# Altium PCB ultra.PcbDoc (part 1 of 9) (continued)
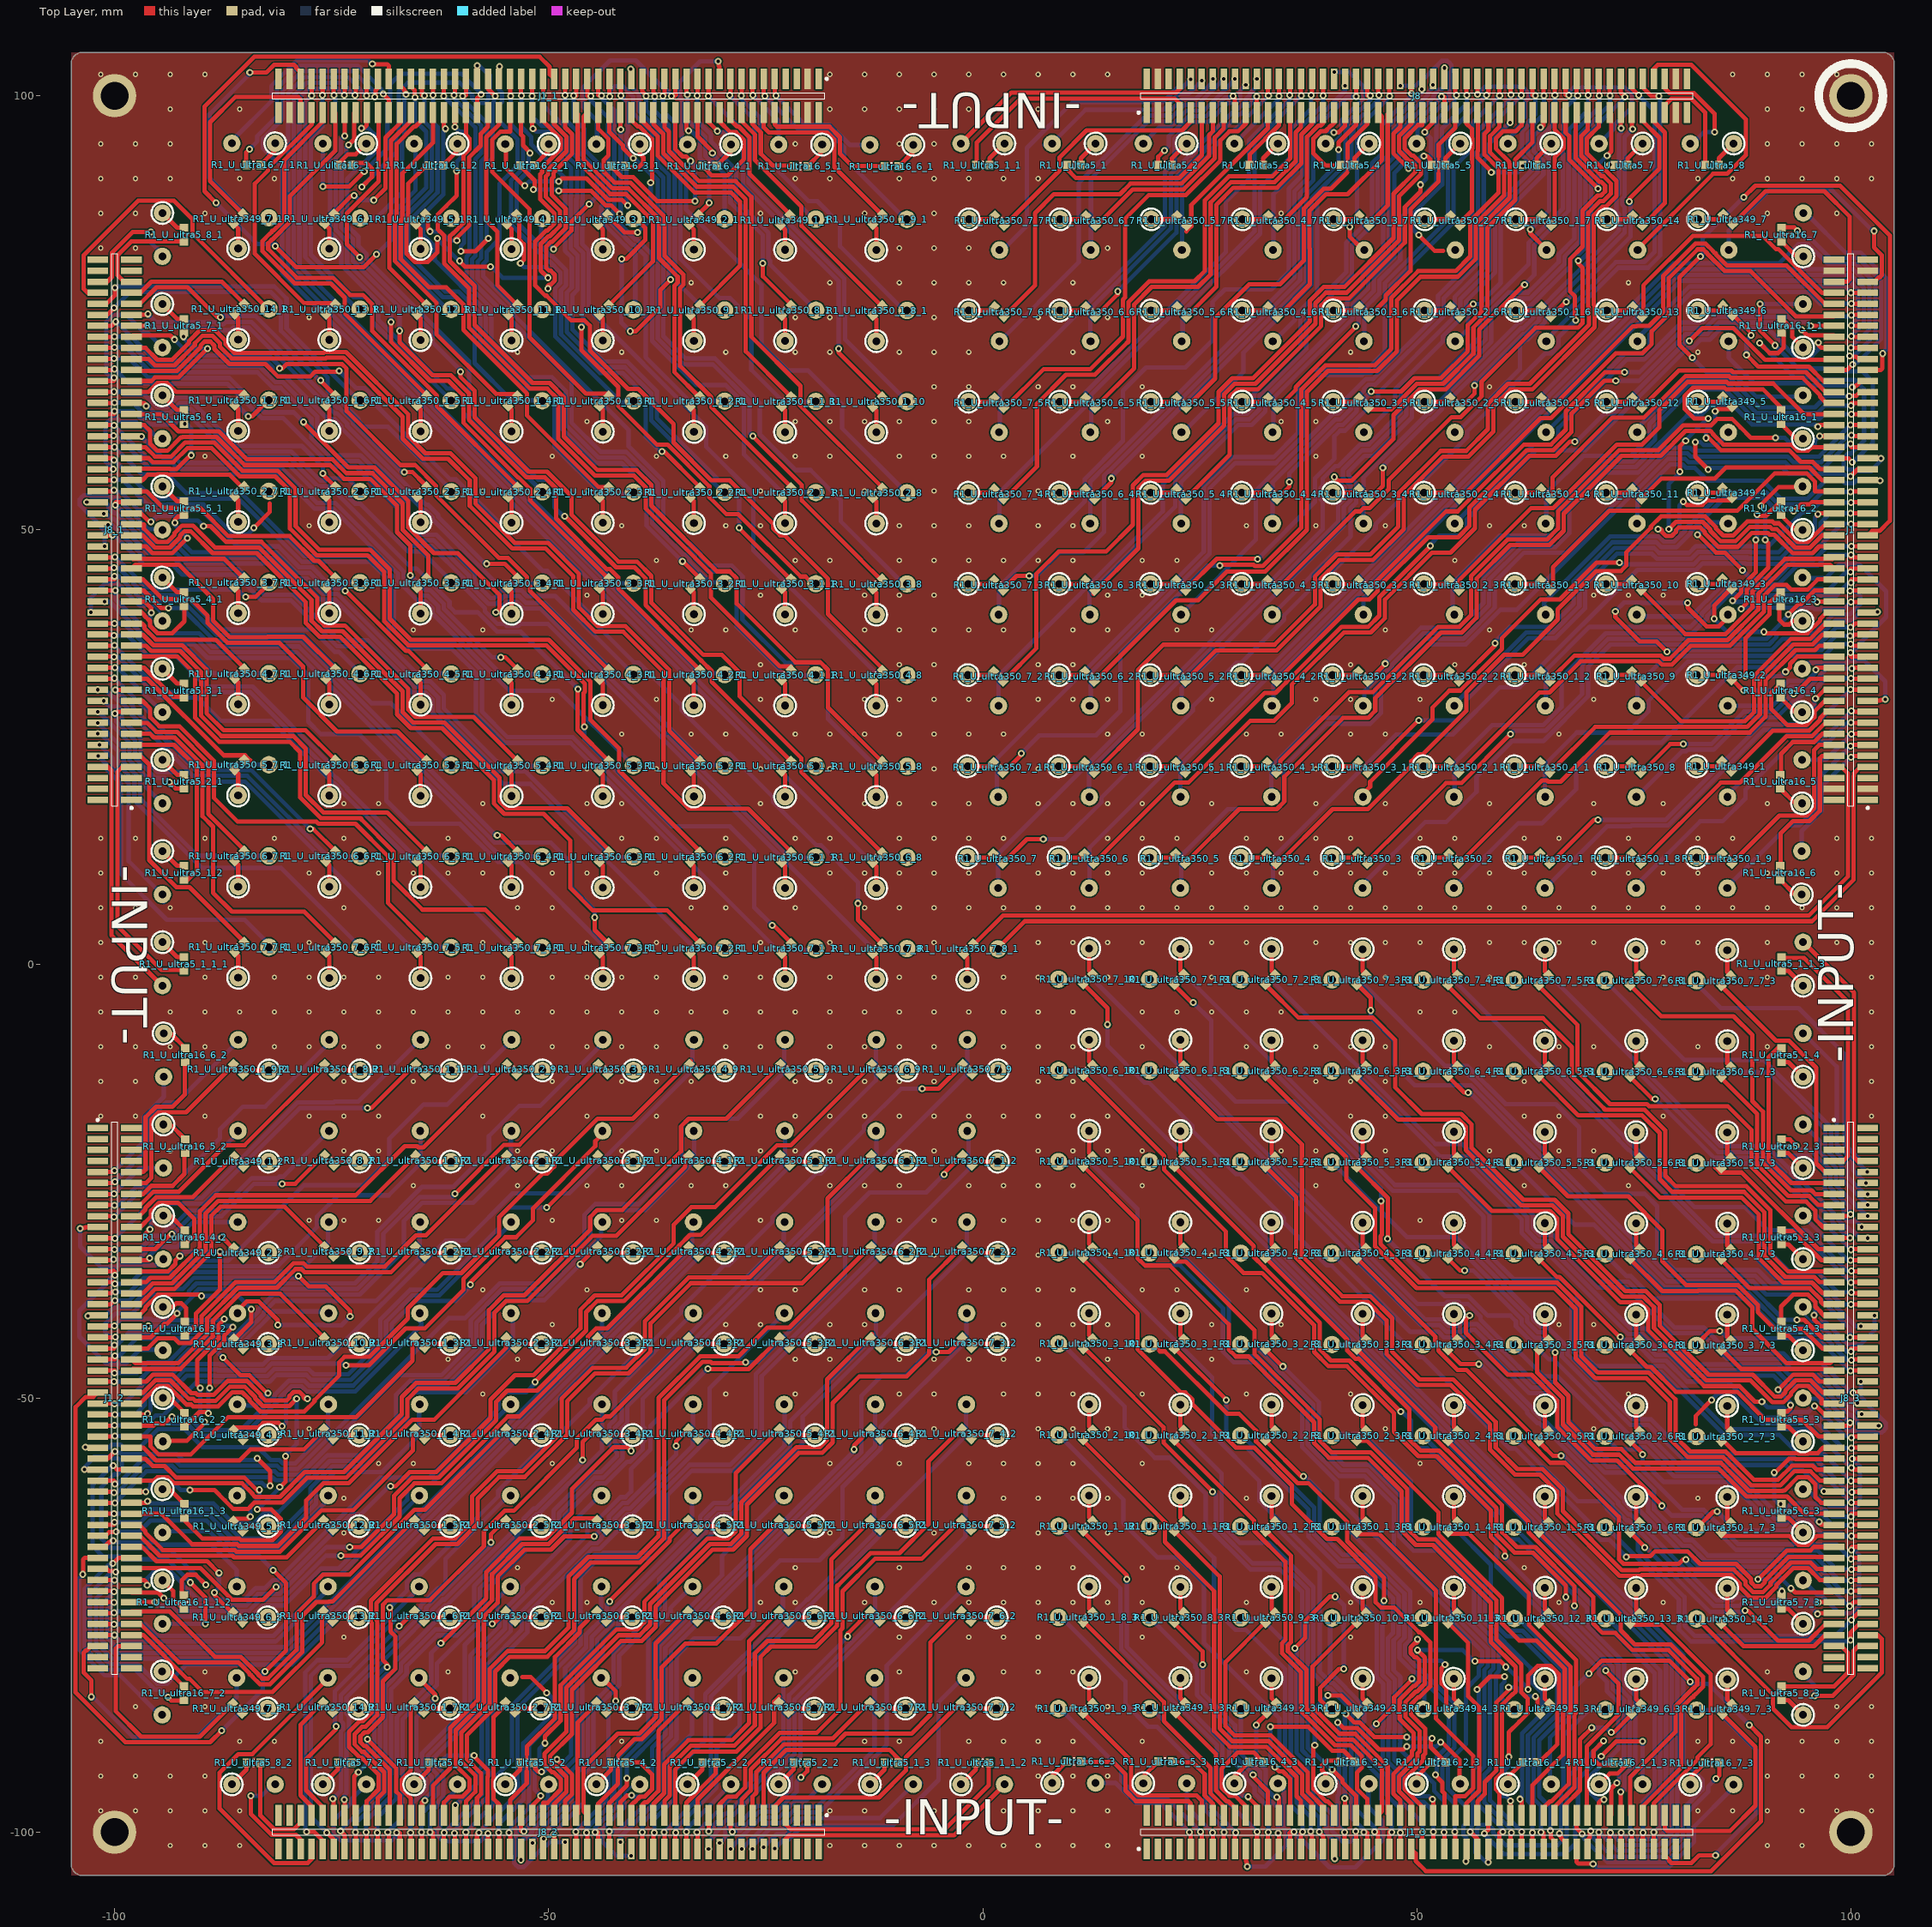
[diagram p0: Top Layer view]
## Components (designator, comment, footprint, x,y, rotation, side; value= is the part's Value field where it differs from the comment) (continued)
R1_U_ultra350_2_1 "0" R-0603-M 54.282,22.622 r135 top (schematic designator R1)
R1_U_ultra350_2_1_1 "0" R-0603-M -22.622,54.282 r225 top (schematic designator R1)
R1_U_ultra350_2_1_2 "0" R-0603-M -54.282,-22.622 r315 top (schematic designator R1)
R1_U_ultra350_2_1_3 "0" R-0603-M 22.622,-54.282 r45 top (schematic designator R1)
R1_U_ultra350_2_2 "0" R-0603-M 54.307,33.122 r135 top (schematic designator R1)
R1_U_ultra350_2_2_1 "0" R-0603-M -33.122,54.307 r225 top (schematic designator R1)
R1_U_ultra350_2_2_2 "0" R-0603-M -54.307,-33.122 r315 top (schematic designator R1)
R1_U_ultra350_2_2_3 "0" R-0603-M 33.122,-54.307 r45 top (schematic designator R1)
R1_U_ultra350_2_3 "0" R-0603-M 54.332,43.622 r135 top (schematic designator R1)
R1_U_ultra350_2_3_1 "0" R-0603-M -43.622,54.332 r225 top (schematic designator R1)
R1_U_ultra350_2_3_2 "0" R-0603-M -54.332,-43.622 r315 top (schematic designator R1)
R1_U_ultra350_2_3_3 "0" R-0603-M 43.622,-54.332 r45 top (schematic designator R1)
R1_U_ultra350_2_4 "0" R-0603-M 54.357,54.122 r135 top (schematic designator R1)
R1_U_ultra350_2_4_1 "0" R-0603-M -54.122,54.357 r225 top (schematic designator R1)
R1_U_ultra350_2_4_2 "0" R-0603-M -54.357,-54.122 r315 top (schematic designator R1)
R1_U_ultra350_2_4_3 "0" R-0603-M 54.122,-54.357 r45 top (schematic designator R1)
R1_U_ultra350_2_5 "0" R-0603-M 54.382,64.622 r135 top (schematic designator R1)
R1_U_ultra350_2_5_1 "0" R-0603-M -64.622,54.382 r225 top (schematic designator R1)
R1_U_ultra350_2_5_2 "0" R-0603-M -54.382,-64.622 r315 top (schematic designator R1)
R1_U_ultra350_2_5_3 "0" R-0603-M 64.622,-54.382 r45 top (schematic designator R1)
R1_U_ultra350_2_6 "0" R-0603-M 54.407,75.122 r135 top (schematic designator R1)
R1_U_ultra350_2_6_1 "0" R-0603-M -75.122,54.407 r225 top (schematic designator R1)
R1_U_ultra350_2_6_2 "0" R-0603-M -54.407,-75.122 r315 top (schematic designator R1)
R1_U_ultra350_2_6_3 "0" R-0603-M 75.122,-54.407 r45 top (schematic designator R1)
R1_U_ultra350_2_7 "0" R-0603-M 54.432,85.622 r135 top (schematic designator R1)
R1_U_ultra350_2_7_1 "0" R-0603-M -85.622,54.432 r225 top (schematic designator R1)
R1_U_ultra350_2_7_2 "0" R-0603-M -54.432,-85.622 r315 top (schematic designator R1)
R1_U_ultra350_2_7_3 "0" R-0603-M 85.622,-54.432 r45 top (schematic designator R1)
R1_U_ultra350_2_8 "0" R-0603-M -12.122,54.257 r225 top (schematic designator R1)
R1_U_ultra350_2_9 "0" R-0603-M -54.257,-12.122 r315 top (schematic designator R1)
R1_U_ultra350_2_10 "0" R-0603-M 12.122,-54.257 r45 top (schematic designator R1)
R1_U_ultra350_3 "0" R-0603-M 43.757,12.122 r135 top (schematic designator R1)
R1_U_ultra350_3_1 "0" R-0603-M 43.782,22.622 r135 top (schematic designator R1)
R1_U_ultra350_3_1_1 "0" R-0603-M -22.622,43.782 r225 top (schematic designator R1)
R1_U_ultra350_3_1_2 "0" R-0603-M -43.782,-22.622 r315 top (schematic designator R1)
R1_U_ultra350_3_1_3 "0" R-0603-M 22.622,-43.782 r45 top (schematic designator R1)
R1_U_ultra350_3_2 "0" R-0603-M 43.807,33.122 r135 top (schematic designator R1)
R1_U_ultra350_3_2_1 "0" R-0603-M -33.122,43.807 r225 top (schematic designator R1)
R1_U_ultra350_3_2_2 "0" R-0603-M -43.807,-33.122 r315 top (schematic designator R1)
R1_U_ultra350_3_2_3 "0" R-0603-M 33.122,-43.807 r45 top (schematic designator R1)
R1_U_ultra350_3_3 "0" R-0603-M 43.832,43.622 r135 top (schematic designator R1)
R1_U_ultra350_3_3_1 "0" R-0603-M -43.622,43.832 r225 top (schematic designator R1)
R1_U_ultra350_3_3_2 "0" R-0603-M -43.832,-43.622 r315 top (schematic designator R1)
R1_U_ultra350_3_3_3 "0" R-0603-M 43.622,-43.832 r45 top (schematic designator R1)
R1_U_ultra350_3_4 "0" R-0603-M 43.857,54.122 r135 top (schematic designator R1)
R1_U_ultra350_3_4_1 "0" R-0603-M -54.122,43.857 r225 top (schematic designator R1)
R1_U_ultra350_3_4_2 "0" R-0603-M -43.857,-54.122 r315 top (schematic designator R1)
R1_U_ultra350_3_4_3 "0" R-0603-M 54.122,-43.857 r45 top (schematic designator R1)
R1_U_ultra350_3_5 "0" R-0603-M 43.882,64.622 r135 top (schematic designator R1)
R1_U_ultra350_3_5_1 "0" R-0603-M -64.622,43.882 r225 top (schematic designator R1)
R1_U_ultra350_3_5_2 "0" R-0603-M -43.882,-64.622 r315 top (schematic designator R1)
R1_U_ultra350_3_5_3 "0" R-0603-M 64.622,-43.882 r45 top (schematic designator R1)
R1_U_ultra350_3_6 "0" R-0603-M 43.907,75.122 r135 top (schematic designator R1)
R1_U_ultra350_3_6_1 "0" R-0603-M -75.122,43.907 r225 top (schematic designator R1)
R1_U_ultra350_3_6_2 "0" R-0603-M -43.907,-75.122 r315 top (schematic designator R1)
R1_U_ultra350_3_6_3 "0" R-0603-M 75.122,-43.907 r45 top (schematic designator R1)
R1_U_ultra350_3_7 "0" R-0603-M 43.932,85.622 r135 top (schematic designator R1)
R1_U_ultra350_3_7_1 "0" R-0603-M -85.622,43.932 r225 top (schematic designator R1)
R1_U_ultra350_3_7_2 "0" R-0603-M -43.932,-85.622 r315 top (schematic designator R1)
R1_U_ultra350_3_7_3 "0" R-0603-M 85.622,-43.932 r45 top (schematic designator R1)
R1_U_ultra350_3_8 "0" R-0603-M -12.122,43.757 r225 top (schematic designator R1)
R1_U_ultra350_3_9 "0" R-0603-M -43.757,-12.122 r315 top (schematic designator R1)
R1_U_ultra350_3_10 "0" R-0603-M 12.122,-43.757 r45 top (schematic designator R1)
R1_U_ultra350_4 "0" R-0603-M 33.257,12.122 r135 top (schematic designator R1)
R1_U_ultra350_4_1 "0" R-0603-M 33.282,22.622 r135 top (schematic designator R1)
R1_U_ultra350_4_1_1 "0" R-0603-M -22.622,33.282 r225 top (schematic designator R1)
R1_U_ultra350_4_1_2 "0" R-0603-M -33.282,-22.622 r315 top (schematic designator R1)
R1_U_ultra350_4_1_3 "0" R-0603-M 22.622,-33.282 r45 top (schematic designator R1)
R1_U_ultra350_4_2 "0" R-0603-M 33.307,33.122 r135 top (schematic designator R1)
R1_U_ultra350_4_2_1 "0" R-0603-M -33.122,33.307 r225 top (schematic designator R1)
R1_U_ultra350_4_2_2 "0" R-0603-M -33.307,-33.122 r315 top (schematic designator R1)
R1_U_ultra350_4_2_3 "0" R-0603-M 33.122,-33.307 r45 top (schematic designator R1)
R1_U_ultra350_4_3 "0" R-0603-M 33.332,43.622 r135 top (schematic designator R1)
R1_U_ultra350_4_3_1 "0" R-0603-M -43.622,33.332 r225 top (schematic designator R1)
R1_U_ultra350_4_3_2 "0" R-0603-M -33.332,-43.622 r315 top (schematic designator R1)
R1_U_ultra350_4_3_3 "0" R-0603-M 43.622,-33.332 r45 top (schematic designator R1)
R1_U_ultra350_4_4 "0" R-0603-M 33.357,54.122 r135 top (schematic designator R1)
R1_U_ultra350_4_4_1 "0" R-0603-M -54.122,33.357 r225 top (schematic designator R1)
R1_U_ultra350_4_4_2 "0" R-0603-M -33.357,-54.122 r315 top (schematic designator R1)
R1_U_ultra350_4_4_3 "0" R-0603-M 54.122,-33.357 r45 top (schematic designator R1)
R1_U_ultra350_4_5 "0" R-0603-M 33.382,64.622 r135 top (schematic designator R1)
R1_U_ultra350_4_5_1 "0" R-0603-M -64.622,33.382 r225 top (schematic designator R1)
R1_U_ultra350_4_5_2 "0" R-0603-M -33.382,-64.622 r315 top (schematic designator R1)
R1_U_ultra350_4_5_3 "0" R-0603-M 64.622,-33.382 r45 top (schematic designator R1)
R1_U_ultra350_4_6 "0" R-0603-M 33.407,75.122 r135 top (schematic designator R1)
R1_U_ultra350_4_6_1 "0" R-0603-M -75.122,33.407 r225 top (schematic designator R1)
R1_U_ultra350_4_6_2 "0" R-0603-M -33.407,-75.122 r315 top (schematic designator R1)
R1_U_ultra350_4_6_3 "0" R-0603-M 75.122,-33.407 r45 top (schematic designator R1)
R1_U_ultra350_4_7 "0" R-0603-M 33.432,85.622 r135 top (schematic designator R1)
R1_U_ultra350_4_7_1 "0" R-0603-M -85.622,33.432 r225 top (schematic designator R1)
R1_U_ultra350_4_7_2 "0" R-0603-M -33.432,-85.622 r315 top (schematic designator R1)
R1_U_ultra350_4_7_3 "0" R-0603-M 85.622,-33.432 r45 top (schematic designator R1)
R1_U_ultra350_4_8 "0" R-0603-M -12.122,33.257 r225 top (schematic designator R1)
R1_U_ultra350_4_9 "0" R-0603-M -33.257,-12.122 r315 top (schematic designator R1)
R1_U_ultra350_4_10 "0" R-0603-M 12.122,-33.257 r45 top (schematic designator R1)
R1_U_ultra350_5 "0" R-0603-M 22.757,12.122 r135 top (schematic designator R1)
R1_U_ultra350_5_1 "0" R-0603-M 22.782,22.622 r135 top (schematic designator R1)
R1_U_ultra350_5_1_1 "0" R-0603-M -22.622,22.782 r225 top (schematic designator R1)
R1_U_ultra350_5_1_2 "0" R-0603-M -22.782,-22.622 r315 top (schematic designator R1)
R1_U_ultra350_5_1_3 "0" R-0603-M 22.622,-22.782 r45 top (schematic designator R1)
R1_U_ultra350_5_2 "0" R-0603-M 22.807,33.122 r135 top (schematic designator R1)
R1_U_ultra350_5_2_1 "0" R-0603-M -33.122,22.807 r225 top (schematic designator R1)
R1_U_ultra350_5_2_2 "0" R-0603-M -22.807,-33.122 r315 top (schematic designator R1)
R1_U_ultra350_5_2_3 "0" R-0603-M 33.122,-22.807 r45 top (schematic designator R1)
R1_U_ultra350_5_3 "0" R-0603-M 22.832,43.622 r135 top (schematic designator R1)
R1_U_ultra350_5_3_1 "0" R-0603-M -43.622,22.832 r225 top (schematic designator R1)
R1_U_ultra350_5_3_2 "0" R-0603-M -22.832,-43.622 r315 top (schematic designator R1)
R1_U_ultra350_5_3_3 "0" R-0603-M 43.622,-22.832 r45 top (schematic designator R1)
R1_U_ultra350_5_4 "0" R-0603-M 22.857,54.122 r135 top (schematic designator R1)
R1_U_ultra350_5_4_1 "0" R-0603-M -54.122,22.857 r225 top (schematic designator R1)
R1_U_ultra350_5_4_2 "0" R-0603-M -22.857,-54.122 r315 top (schematic designator R1)
R1_U_ultra350_5_4_3 "0" R-0603-M 54.122,-22.857 r45 top (schematic designator R1)
R1_U_ultra350_5_5 "0" R-0603-M 22.882,64.622 r135 top (schematic designator R1)
R1_U_ultra350_5_5_1 "0" R-0603-M -64.622,22.882 r225 top (schematic designator R1)
R1_U_ultra350_5_5_2 "0" R-0603-M -22.882,-64.622 r315 top (schematic designator R1)
R1_U_ultra350_5_5_3 "0" R-0603-M 64.622,-22.882 r45 top (schematic designator R1)
R1_U_ultra350_5_6 "0" R-0603-M 22.907,75.122 r135 top (schematic designator R1)
R1_U_ultra350_5_6_1 "0" R-0603-M -75.122,22.907 r225 top (schematic designator R1)
R1_U_ultra350_5_6_2 "0" R-0603-M -22.907,-75.122 r315 top (schematic designator R1)
R1_U_ultra350_5_6_3 "0" R-0603-M 75.122,-22.907 r45 top (schematic designator R1)
R1_U_ultra350_5_7 "0" R-0603-M 22.932,85.622 r135 top (schematic designator R1)
R1_U_ultra350_5_7_1 "0" R-0603-M -85.622,22.932 r225 top (schematic designator R1)
R1_U_ultra350_5_7_2 "0" R-0603-M -22.932,-85.622 r315 top (schematic designator R1)
R1_U_ultra350_5_7_3 "0" R-0603-M 85.622,-22.932 r45 top (schematic designator R1)
R1_U_ultra350_5_8 "0" R-0603-M -12.122,22.757 r225 top (schematic designator R1)
R1_U_ultra350_5_9 "0" R-0603-M -22.757,-12.122 r315 top (schematic designator R1)
R1_U_ultra350_5_10 "0" R-0603-M 12.122,-22.757 r45 top (schematic designator R1)
R1_U_ultra350_6 "0" R-0603-M 12.257,12.122 r135 top (schematic designator R1)
R1_U_ultra350_6_1 "0" R-0603-M 12.282,22.622 r135 top (schematic designator R1)
R1_U_ultra350_6_1_1 "0" R-0603-M -22.622,12.282 r225 top (schematic designator R1)
R1_U_ultra350_6_1_2 "0" R-0603-M -12.282,-22.622 r315 top (schematic designator R1)
R1_U_ultra350_6_1_3 "0" R-0603-M 22.622,-12.282 r45 top (schematic designator R1)
R1_U_ultra350_6_2 "0" R-0603-M 12.307,33.122 r135 top (schematic designator R1)
R1_U_ultra350_6_2_1 "0" R-0603-M -33.122,12.307 r225 top (schematic designator R1)
R1_U_ultra350_6_2_2 "0" R-0603-M -12.307,-33.122 r315 top (schematic designator R1)
R1_U_ultra350_6_2_3 "0" R-0603-M 33.122,-12.307 r45 top (schematic designator R1)
R1_U_ultra350_6_3 "0" R-0603-M 12.332,43.622 r135 top (schematic designator R1)
R1_U_ultra350_6_3_1 "0" R-0603-M -43.622,12.332 r225 top (schematic designator R1)
R1_U_ultra350_6_3_2 "0" R-0603-M -12.332,-43.622 r315 top (schematic designator R1)
R1_U_ultra350_6_3_3 "0" R-0603-M 43.622,-12.332 r45 top (schematic designator R1)
R1_U_ultra350_6_4 "0" R-0603-M 12.357,54.122 r135 top (schematic designator R1)
R1_U_ultra350_6_4_1 "0" R-0603-M -54.122,12.357 r225 top (schematic designator R1)
R1_U_ultra350_6_4_2 "0" R-0603-M -12.357,-54.122 r315 top (schematic designator R1)
R1_U_ultra350_6_4_3 "0" R-0603-M 54.122,-12.357 r45 top (schematic designator R1)
R1_U_ultra350_6_5 "0" R-0603-M 12.382,64.622 r135 top (schematic designator R1)
R1_U_ultra350_6_5_1 "0" R-0603-M -64.622,12.382 r225 top (schematic designator R1)
R1_U_ultra350_6_5_2 "0" R-0603-M -12.382,-64.622 r315 top (schematic designator R1)
R1_U_ultra350_6_5_3 "0" R-0603-M 64.622,-12.382 r45 top (schematic designator R1)
R1_U_ultra350_6_6 "0" R-0603-M 12.407,75.122 r135 top (schematic designator R1)
R1_U_ultra350_6_6_1 "0" R-0603-M -75.122,12.407 r225 top (schematic designator R1)
R1_U_ultra350_6_6_2 "0" R-0603-M -12.407,-75.122 r315 top (schematic designator R1)
R1_U_ultra350_6_6_3 "0" R-0603-M 75.122,-12.407 r45 top (schematic designator R1)
R1_U_ultra350_6_7 "0" R-0603-M 12.432,85.622 r135 top (schematic designator R1)
R1_U_ultra350_6_7_1 "0" R-0603-M -85.622,12.432 r225 top (schematic designator R1)
R1_U_ultra350_6_7_2 "0" R-0603-M -12.432,-85.622 r315 top (schematic designator R1)
R1_U_ultra350_6_7_3 "0" R-0603-M 85.622,-12.432 r45 top (schematic designator R1)
R1_U_ultra350_6_8 "0" R-0603-M -12.122,12.257 r225 top (schematic designator R1)
R1_U_ultra350_6_9 "0" R-0603-M -12.257,-12.122 r315 top (schematic designator R1)
R1_U_ultra350_6_10 "0" R-0603-M 12.122,-12.257 r45 top (schematic designator R1)
R1_U_ultra350_7 "0" R-0603-M 1.757,12.122 r135 top (schematic designator R1)
R1_U_ultra350_7_1 "0" R-0603-M 1.782,22.622 r135 top (schematic designator R1)
R1_U_ultra350_7_1_1 "0" R-0603-M -22.622,1.782 r225 top (schematic designator R1)
R1_U_ultra350_7_1_2 "0" R-0603-M -1.782,-22.622 r315 top (schematic designator R1)
R1_U_ultra350_7_1_3 "0" R-0603-M 22.622,-1.782 r45 top (schematic designator R1)
R1_U_ultra350_7_2 "0" R-0603-M 1.807,33.122 r135 top (schematic designator R1)
R1_U_ultra350_7_2_1 "0" R-0603-M -33.122,1.807 r225 top (schematic designator R1)
R1_U_ultra350_7_2_2 "0" R-0603-M -1.807,-33.122 r315 top (schematic designator R1)
R1_U_ultra350_7_2_3 "0" R-0603-M 33.122,-1.807 r45 top (schematic designator R1)
R1_U_ultra350_7_3 "0" R-0603-M 1.832,43.622 r135 top (schematic designator R1)
R1_U_ultra350_7_3_1 "0" R-0603-M -43.622,1.832 r225 top (schematic designator R1)
R1_U_ultra350_7_3_2 "0" R-0603-M -1.832,-43.622 r315 top (schematic designator R1)
R1_U_ultra350_7_3_3 "0" R-0603-M 43.622,-1.832 r45 top (schematic designator R1)
R1_U_ultra350_7_4 "0" R-0603-M 1.857,54.122 r135 top (schematic designator R1)
R1_U_ultra350_7_4_1 "0" R-0603-M -54.122,1.857 r225 top (schematic designator R1)
R1_U_ultra350_7_4_2 "0" R-0603-M -1.857,-54.122 r315 top (schematic designator R1)
R1_U_ultra350_7_4_3 "0" R-0603-M 54.122,-1.857 r45 top (schematic designator R1)
R1_U_ultra350_7_5 "0" R-0603-M 1.882,64.622 r135 top (schematic designator R1)
R1_U_ultra350_7_5_1 "0" R-0603-M -64.622,1.882 r225 top (schematic designator R1)
R1_U_ultra350_7_5_2 "0" R-0603-M -1.882,-64.622 r315 top (schematic designator R1)
R1_U_ultra350_7_5_3 "0" R-0603-M 64.622,-1.882 r45 top (schematic designator R1)
R1_U_ultra350_7_6 "0" R-0603-M 1.907,75.122 r135 top (schematic designator R1)
R1_U_ultra350_7_6_1 "0" R-0603-M -75.122,1.907 r225 top (schematic designator R1)
R1_U_ultra350_7_6_2 "0" R-0603-M -1.907,-75.122 r315 top (schematic designator R1)
R1_U_ultra350_7_6_3 "0" R-0603-M 75.122,-1.907 r45 top (schematic designator R1)
R1_U_ultra350_7_7 "0" R-0603-M 1.932,85.622 r135 top (schematic designator R1)
R1_U_ultra350_7_7_1 "0" R-0603-M -85.622,1.932 r225 top (schematic designator R1)
R1_U_ultra350_7_7_2 "0" R-0603-M -1.932,-85.622 r315 top (schematic designator R1)
R1_U_ultra350_7_7_3 "0" R-0603-M 85.622,-1.932 r45 top (schematic designator R1)
R1_U_ultra350_7_8 "0" R-0603-M -12.122,1.757 r225 top (schematic designator R1)
R1_U_ultra350_7_8_1 "0" R-0603-M -1.622,1.732 r225 top (schematic designator R1)
R1_U_ultra350_7_9 "0" R-0603-M -1.757,-12.122 r315 top (schematic designator R1)
R1_U_ultra350_7_10 "0" R-0603-M 12.122,-1.757 r45 top (schematic designator R1)
R1_U_ultra350_8 "0" R-0603-M 75.282,22.622 r135 top (schematic designator R1)
R1_U_ultra350_8_1 "0" R-0603-M -22.622,75.282 r225 top (schematic designator R1)
R1_U_ultra350_8_2 "0" R-0603-M -75.282,-22.622 r315 top (schematic designator R1)
R1_U_ultra350_8_3 "0" R-0603-M 22.622,-75.282 r45 top (schematic designator R1)
R1_U_ultra350_9 "0" R-0603-M 75.307,33.122 r135 top (schematic designator R1)
R1_U_ultra350_9_1 "0" R-0603-M -33.122,75.307 r225 top (schematic designator R1)
R1_U_ultra350_9_2 "0" R-0603-M -75.307,-33.122 r315 top (schematic designator R1)
R1_U_ultra350_9_3 "0" R-0603-M 33.122,-75.307 r45 top (schematic designator R1)
R1_U_ultra350_10 "0" R-0603-M 75.332,43.622 r135 top (schematic designator R1)
R1_U_ultra350_10_1 "0" R-0603-M -43.622,75.332 r225 top (schematic designator R1)
R1_U_ultra350_10_2 "0" R-0603-M -75.332,-43.622 r315 top (schematic designator R1)
R1_U_ultra350_10_3 "0" R-0603-M 43.622,-75.332 r45 top (schematic designator R1)
R1_U_ultra350_11 "0" R-0603-M 75.357,54.122 r135 top (schematic designator R1)
R1_U_ultra350_11_1 "0" R-0603-M -54.122,75.357 r225 top (schematic designator R1)
R1_U_ultra350_11_2 "0" R-0603-M -75.357,-54.122 r315 top (schematic designator R1)
R1_U_ultra350_11_3 "0" R-0603-M 54.122,-75.357 r45 top (schematic designator R1)
R1_U_ultra350_12 "0" R-0603-M 75.382,64.622 r135 top (schematic designator R1)
R1_U_ultra350_12_1 "0" R-0603-M -64.622,75.382 r225 top (schematic designator R1)
R1_U_ultra350_12_2 "0" R-0603-M -75.382,-64.622 r315 top (schematic designator R1)
R1_U_ultra350_12_3 "0" R-0603-M 64.622,-75.382 r45 top (schematic designator R1)
R1_U_ultra350_13 "0" R-0603-M 75.407,75.122 r135 top (schematic designator R1)
R1_U_ultra350_13_1 "0" R-0603-M -75.122,75.407 r225 top (schematic designator R1)
R1_U_ultra350_13_2 "0" R-0603-M -75.407,-75.122 r315 top (schematic designator R1)
R1_U_ultra350_13_3 "0" R-0603-M 75.122,-75.407 r45 top (schematic designator R1)
R1_U_ultra350_14 "0" R-0603-M 75.432,85.622 r135 top (schematic designator R1)
R1_U_ultra350_14_1 "0" R-0603-M -85.622,75.432 r225 top (schematic designator R1)
R1_U_ultra350_14_2 "0" R-0603-M -75.432,-85.622 r315 top (schematic designator R1)
R1_U_ultra350_14_3 "0" R-0603-M 85.622,-75.432 r45 top (schematic designator R1)
US1_U_ultra5_1 "Ultrasonic_10mm" ULTRA_10 10.5,94.5 r180 bottom (schematic designator US1)
US1_U_ultra5_1_1 "Ultrasonic_10mm" ULTRA_10 0,94.5 r180 bottom (schematic designator US1)
US1_U_ultra5_1_1_1 "Ultrasonic_10mm" ULTRA_10 -94.5,0 r270 bottom (schematic designator US1)
US1_U_ultra5_1_1_2 "Ultrasonic_10mm" ULTRA_10 0,-94.5 r0 bottom (schematic designator US1)
US1_U_ultra5_1_1_3 "Ultrasonic_10mm" ULTRA_10 94.5,0 r90 bottom (schematic designator US1)
US1_U_ultra5_1_2 "Ultrasonic_10mm" ULTRA_10 -94.5,10.5 r270 bottom (schematic designator US1)
US1_U_ultra5_1_3 "Ultrasonic_10mm" ULTRA_10 -10.5,-94.5 r0 bottom (schematic designator US1)
US1_U_ultra5_1_4 "Ultrasonic_10mm" ULTRA_10 94.5,-10.5 r90 bottom (schematic designator US1)
US1_U_ultra5_2 "Ultrasonic_10mm" ULTRA_10 21,94.5 r180 bottom (schematic designator US1)
US1_U_ultra5_2_1 "Ultrasonic_10mm" ULTRA_10 -94.5,21 r270 bottom (schematic designator US1)
US1_U_ultra5_2_2 "Ultrasonic_10mm" ULTRA_10 -21,-94.5 r0 bottom (schematic designator US1)
US1_U_ultra5_2_3 "Ultrasonic_10mm" ULTRA_10 94.5,-21 r90 bottom (schematic designator US1)
US1_U_ultra5_3 "Ultrasonic_10mm" ULTRA_10 31.5,94.5 r180 bottom (schematic designator US1)
US1_U_ultra5_3_1 "Ultrasonic_10mm" ULTRA_10 -94.5,31.5 r270 bottom (schematic designator US1)
US1_U_ultra5_3_2 "Ultrasonic_10mm" ULTRA_10 -31.5,-94.5 r0 bottom (schematic designator US1)
US1_U_ultra5_3_3 "Ultrasonic_10mm" ULTRA_10 94.5,-31.5 r90 bottom (schematic designator US1)
US1_U_ultra5_4 "Ultrasonic_10mm" ULTRA_10 42,94.5 r180 bottom (schematic designator US1)
US1_U_ultra5_4_1 "Ultrasonic_10mm" ULTRA_10 -94.5,42 r270 bottom (schematic designator US1)
US1_U_ultra5_4_2 "Ultrasonic_10mm" ULTRA_10 -42,-94.5 r0 bottom (schematic designator US1)
US1_U_ultra5_4_3 "Ultrasonic_10mm" ULTRA_10 94.5,-42 r90 bottom (schematic designator US1)
US1_U_ultra5_5 "Ultrasonic_10mm" ULTRA_10 52.5,94.5 r180 bottom (schematic designator US1)
US1_U_ultra5_5_1 "Ultrasonic_10mm" ULTRA_10 -94.5,52.5 r270 bottom (schematic designator US1)
US1_U_ultra5_5_2 "Ultrasonic_10mm" ULTRA_10 -52.5,-94.5 r0 bottom (schematic designator US1)
US1_U_ultra5_5_3 "Ultrasonic_10mm" ULTRA_10 94.5,-52.5 r90 bottom (schematic designator US1)
US1_U_ultra5_6 "Ultrasonic_10mm" ULTRA_10 63,94.5 r180 bottom (schematic designator US1)
US1_U_ultra5_6_1 "Ultrasonic_10mm" ULTRA_10 -94.5,63 r270 bottom (schematic designator US1)
US1_U_ultra5_6_2 "Ultrasonic_10mm" ULTRA_10 -63,-94.5 r0 bottom (schematic designator US1)
US1_U_ultra5_6_3 "Ultrasonic_10mm" ULTRA_10 94.5,-63 r90 bottom (schematic designator US1)
US1_U_ultra5_7 "Ultrasonic_10mm" ULTRA_10 73.5,94.5 r180 bottom (schematic designator US1)
US1_U_ultra5_7_1 "Ultrasonic_10mm" ULTRA_10 -94.5,73.5 r270 bottom (schematic designator US1)
US1_U_ultra5_7_2 "Ultrasonic_10mm" ULTRA_10 -73.5,-94.5 r0 bottom (schematic designator US1)
US1_U_ultra5_7_3 "Ultrasonic_10mm" ULTRA_10 94.5,-73.5 r90 bottom (schematic designator US1)
US1_U_ultra5_8 "Ultrasonic_10mm" ULTRA_10 84,94.5 r180 bottom (schematic designator US1)
US1_U_ultra5_8_1 "Ultrasonic_10mm" ULTRA_10 -94.5,84 r270 bottom (schematic designator US1)
US1_U_ultra5_8_2 "Ultrasonic_10mm" ULTRA_10 -84,-94.5 r0 bottom (schematic designator US1)
US1_U_ultra5_8_3 "Ultrasonic_10mm" ULTRA_10 94.5,-84 r90 bottom (schematic designator US1)
US1_U_ultra16_1 "Ultrasonic_10mm" ULTRA_10 94.475,63 r90 bottom (schematic designator US1)
US1_U_ultra16_1_1 "Ultrasonic_10mm" ULTRA_10 94.5,73.5 r90 bottom (schematic designator US1)
US1_U_ultra16_1_1_1 "Ultrasonic_10mm" ULTRA_10 -73.5,94.5 r180 bottom (schematic designator US1)
US1_U_ultra16_1_1_2 "Ultrasonic_10mm" ULTRA_10 -94.5,-73.5 r270 bottom (schematic designator US1)
US1_U_ultra16_1_1_3 "Ultrasonic_10mm" ULTRA_10 73.5,-94.5 r0 bottom (schematic designator US1)
US1_U_ultra16_1_2 "Ultrasonic_10mm" ULTRA_10 -63,94.475 r180 bottom (schematic designator US1)
US1_U_ultra16_1_3 "Ultrasonic_10mm" ULTRA_10 -94.475,-63 r270 bottom (schematic designator US1)
US1_U_ultra16_1_4 "Ultrasonic_10mm" ULTRA_10 63,-94.475 r0 bottom (schematic designator US1)
US1_U_ultra16_2 "Ultrasonic_10mm" ULTRA_10 94.45,52.5 r90 bottom (schematic designator US1)
US1_U_ultra16_2_1 "Ultrasonic_10mm" ULTRA_10 -52.5,94.45 r180 bottom (schematic designator US1)
US1_U_ultra16_2_2 "Ultrasonic_10mm" ULTRA_10 -94.45,-52.5 r270 bottom (schematic designator US1)
US1_U_ultra16_2_3 "Ultrasonic_10mm" ULTRA_10 52.5,-94.45 r0 bottom (schematic designator US1)
US1_U_ultra16_3 "Ultrasonic_10mm" ULTRA_10 94.425,42 r90 bottom (schematic designator US1)
US1_U_ultra16_3_1 "Ultrasonic_10mm" ULTRA_10 -42,94.425 r180 bottom (schematic designator US1)
US1_U_ultra16_3_2 "Ultrasonic_10mm" ULTRA_10 -94.425,-42 r270 bottom (schematic designator US1)
US1_U_ultra16_3_3 "Ultrasonic_10mm" ULTRA_10 42,-94.425 r0 bottom (schematic designator US1)
US1_U_ultra16_4 "Ultrasonic_10mm" ULTRA_10 94.4,31.5 r90 bottom (schematic designator US1)
US1_U_ultra16_4_1 "Ultrasonic_10mm" ULTRA_10 -31.5,94.4 r180 bottom (schematic designator US1)
US1_U_ultra16_4_2 "Ultrasonic_10mm" ULTRA_10 -94.4,-31.5 r270 bottom (schematic designator US1)
US1_U_ultra16_4_3 "Ultrasonic_10mm" ULTRA_10 31.5,-94.4 r0 bottom (schematic designator US1)
US1_U_ultra16_5 "Ultrasonic_10mm" ULTRA_10 94.375,21 r90 bottom (schematic designator US1)
US1_U_ultra16_5_1 "Ultrasonic_10mm" ULTRA_10 -21,94.375 r180 bottom (schematic designator US1)
US1_U_ultra16_5_2 "Ultrasonic_10mm" ULTRA_10 -94.375,-21 r270 bottom (schematic designator US1)
US1_U_ultra16_5_3 "Ultrasonic_10mm" ULTRA_10 21,-94.375 r0 bottom (schematic designator US1)
US1_U_ultra16_6 "Ultrasonic_10mm" ULTRA_10 94.35,10.5 r90 bottom (schematic designator US1)
US1_U_ultra16_6_1 "Ultrasonic_10mm" ULTRA_10 -10.5,94.35 r180 bottom (schematic designator US1)
US1_U_ultra16_6_2 "Ultrasonic_10mm" ULTRA_10 -94.35,-10.5 r270 bottom (schematic designator US1)
US1_U_ultra16_6_3 "Ultrasonic_10mm" ULTRA_10 10.5,-94.35 r0 bottom (schematic designator US1)
US1_U_ultra16_7 "Ultrasonic_10mm" ULTRA_10 94.525,84 r90 bottom (schematic designator US1)
US1_U_ultra16_7_1 "Ultrasonic_10mm" ULTRA_10 -84,94.525 r180 bottom (schematic designator US1)
US1_U_ultra16_7_2 "Ultrasonic_10mm" ULTRA_10 -94.525,-84 r270 bottom (schematic designator US1)
US1_U_ultra16_7_3 "Ultrasonic_10mm" ULTRA_10 84,-94.525 r0 bottom (schematic designator US1)
US1_U_ultra349_1 "Ultrasonic_10mm" ULTRA_10 84.025,21 r315 bottom (schematic designator US1)
US1_U_ultra349_1_1 "Ultrasonic_10mm" ULTRA_10 -21,84.025 r45 bottom (schematic designator US1)
US1_U_ultra349_1_2 "Ultrasonic_10mm" ULTRA_10 -84.025,-21 r135 bottom (schematic designator US1)
US1_U_ultra349_1_3 "Ultrasonic_10mm" ULTRA_10 21,-84.025 r225 bottom (schematic designator US1)
US1_U_ultra349_2 "Ultrasonic_10mm" ULTRA_10 84.05,31.5 r315 bottom (schematic designator US1)
US1_U_ultra349_2_1 "Ultrasonic_10mm" ULTRA_10 -31.5,84.05 r45 bottom (schematic designator US1)
US1_U_ultra349_2_2 "Ultrasonic_10mm" ULTRA_10 -84.05,-31.5 r135 bottom (schematic designator US1)
US1_U_ultra349_2_3 "Ultrasonic_10mm" ULTRA_10 31.5,-84.05 r225 bottom (schematic designator US1)
US1_U_ultra349_3 "Ultrasonic_10mm" ULTRA_10 84.075,42 r315 bottom (schematic designator US1)
US1_U_ultra349_3_1 "Ultrasonic_10mm" ULTRA_10 -42,84.075 r45 bottom (schematic designator US1)
US1_U_ultra349_3_2 "Ultrasonic_10mm" ULTRA_10 -84.075,-42 r135 bottom (schematic designator US1)
US1_U_ultra349_3_3 "Ultrasonic_10mm" ULTRA_10 42,-84.075 r225 bottom (schematic designator US1)
US1_U_ultra349_4 "Ultrasonic_10mm" ULTRA_10 84.1,52.5 r315 bottom (schematic designator US1)
US1_U_ultra349_4_1 "Ultrasonic_10mm" ULTRA_10 -52.5,84.1 r45 bottom (schematic designator US1)
US1_U_ultra349_4_2 "Ultrasonic_10mm" ULTRA_10 -84.1,-52.5 r135 bottom (schematic designator US1)
US1_U_ultra349_4_3 "Ultrasonic_10mm" ULTRA_10 52.5,-84.1 r225 bottom (schematic designator US1)
US1_U_ultra349_5 "Ultrasonic_10mm" ULTRA_10 84.125,63 r315 bottom (schematic designator US1)
US1_U_ultra349_5_1 "Ultrasonic_10mm" ULTRA_10 -63,84.125 r45 bottom (schematic designator US1)
US1_U_ultra349_5_2 "Ultrasonic_10mm" ULTRA_10 -84.125,-63 r135 bottom (schematic designator US1)
US1_U_ultra349_5_3 "Ultrasonic_10mm" ULTRA_10 63,-84.125 r225 bottom (schematic designator US1)
US1_U_ultra349_6 "Ultrasonic_10mm" ULTRA_10 84.15,73.5 r315 bottom (schematic designator US1)
US1_U_ultra349_6_1 "Ultrasonic_10mm" ULTRA_10 -73.5,84.15 r45 bottom (schematic designator US1)
US1_U_ultra349_6_2 "Ultrasonic_10mm" ULTRA_10 -84.15,-73.5 r135 bottom (schematic designator US1)
US1_U_ultra349_6_3 "Ultrasonic_10mm" ULTRA_10 73.5,-84.15 r225 bottom (schematic designator US1)
US1_U_ultra349_7 "Ultrasonic_10mm" ULTRA_10 84.175,84 r315 bottom (schematic designator US1)
US1_U_ultra349_7_1 "Ultrasonic_10mm" ULTRA_10 -84,84.175 r45 bottom (schematic designator US1)
US1_U_ultra349_7_2 "Ultrasonic_10mm" ULTRA_10 -84.175,-84 r135 bottom (schematic designator US1)
US1_U_ultra349_7_3 "Ultrasonic_10mm" ULTRA_10 84,-84.175 r225 bottom (schematic designator US1)
US1_U_ultra350_1 "Ultrasonic_10mm" ULTRA_10 63,10.5 r315 bottom (schematic designator US1)
US1_U_ultra350_1_1 "Ultrasonic_10mm" ULTRA_10 63.025,21 r315 bottom (schematic designator US1)
US1_U_ultra350_1_1_1 "Ultrasonic_10mm" ULTRA_10 -21,63.025 r45 bottom (schematic designator US1)
US1_U_ultra350_1_1_2 "Ultrasonic_10mm" ULTRA_10 -63.025,-21 r135 bottom (schematic designator US1)
US1_U_ultra350_1_1_3 "Ultrasonic_10mm" ULTRA_10 21,-63.025 r225 bottom (schematic designator US1)
US1_U_ultra350_1_2 "Ultrasonic_10mm" ULTRA_10 63.05,31.5 r315 bottom (schematic designator US1)
US1_U_ultra350_1_2_1 "Ultrasonic_10mm" ULTRA_10 -31.5,63.05 r45 bottom (schematic designator US1)
US1_U_ultra350_1_2_2 "Ultrasonic_10mm" ULTRA_10 -63.05,-31.5 r135 bottom (schematic designator US1)
US1_U_ultra350_1_2_3 "Ultrasonic_10mm" ULTRA_10 31.5,-63.05 r225 bottom (schematic designator US1)
US1_U_ultra350_1_3 "Ultrasonic_10mm" ULTRA_10 63.075,42 r315 bottom (schematic designator US1)
US1_U_ultra350_1_3_1 "Ultrasonic_10mm" ULTRA_10 -42,63.075 r45 bottom (schematic designator US1)
US1_U_ultra350_1_3_2 "Ultrasonic_10mm" ULTRA_10 -63.075,-42 r135 bottom (schematic designator US1)
US1_U_ultra350_1_3_3 "Ultrasonic_10mm" ULTRA_10 42,-63.075 r225 bottom (schematic designator US1)
US1_U_ultra350_1_4 "Ultrasonic_10mm" ULTRA_10 63.1,52.5 r315 bottom (schematic designator US1)
US1_U_ultra350_1_4_1 "Ultrasonic_10mm" ULTRA_10 -52.5,63.1 r45 bottom (schematic designator US1)
US1_U_ultra350_1_4_2 "Ultrasonic_10mm" ULTRA_10 -63.1,-52.5 r135 bottom (schematic designator US1)
US1_U_ultra350_1_4_3 "Ultrasonic_10mm" ULTRA_10 52.5,-63.1 r225 bottom (schematic designator US1)
US1_U_ultra350_1_5 "Ultrasonic_10mm" ULTRA_10 63.125,63 r315 bottom (schematic designator US1)
US1_U_ultra350_1_5_1 "Ultrasonic_10mm" ULTRA_10 -63,63.125 r45 bottom (schematic designator US1)
US1_U_ultra350_1_5_2 "Ultrasonic_10mm" ULTRA_10 -63.125,-63 r135 bottom (schematic designator US1)
US1_U_ultra350_1_5_3 "Ultrasonic_10mm" ULTRA_10 63,-63.125 r225 bottom (schematic designator US1)
US1_U_ultra350_1_6 "Ultrasonic_10mm" ULTRA_10 63.15,73.5 r315 bottom (schematic designator US1)
US1_U_ultra350_1_6_1 "Ultrasonic_10mm" ULTRA_10 -73.5,63.15 r45 bottom (schematic designator US1)
US1_U_ultra350_1_6_2 "Ultrasonic_10mm" ULTRA_10 -63.15,-73.5 r135 bottom (schematic designator US1)
US1_U_ultra350_1_6_3 "Ultrasonic_10mm" ULTRA_10 73.5,-63.15 r225 bottom (schematic designator US1)
US1_U_ultra350_1_7 "Ultrasonic_10mm" ULTRA_10 63.175,84 r315 bottom (schematic designator US1)
US1_U_ultra350_1_7_1 "Ultrasonic_10mm" ULTRA_10 -84,63.175 r45 bottom (schematic designator US1)
US1_U_ultra350_1_7_2 "Ultrasonic_10mm" ULTRA_10 -63.175,-84 r135 bottom (schematic designator US1)
US1_U_ultra350_1_7_3 "Ultrasonic_10mm" ULTRA_10 84,-63.175 r225 bottom (schematic designator US1)
US1_U_ultra350_1_8 "Ultrasonic_10mm" ULTRA_10 73.5,10.5 r315 bottom (schematic designator US1)
US1_U_ultra350_1_8_1 "Ultrasonic_10mm" ULTRA_10 -10.5,73.5 r45 bottom (schematic designator US1)
US1_U_ultra350_1_8_2 "Ultrasonic_10mm" ULTRA_10 -73.5,-10.5 r135 bottom (schematic designator US1)
US1_U_ultra350_1_8_3 "Ultrasonic_10mm" ULTRA_10 10.5,-73.5 r225 bottom (schematic designator US1)
US1_U_ultra350_1_9 "Ultrasonic_10mm" ULTRA_10 84,10.5 r315 bottom (schematic designator US1)
US1_U_ultra350_1_9_1 "Ultrasonic_10mm" ULTRA_10 -10.5,84 r45 bottom (schematic designator US1)
US1_U_ultra350_1_9_2 "Ultrasonic_10mm" ULTRA_10 -84,-10.5 r135 bottom (schematic designator US1)
US1_U_ultra350_1_9_3 "Ultrasonic_10mm" ULTRA_10 10.5,-84 r225 bottom (schematic designator US1)
US1_U_ultra350_1_10 "Ultrasonic_10mm" ULTRA_10 -10.5,63 r45 bottom (schematic designator US1)
US1_U_ultra350_1_11 "Ultrasonic_10mm" ULTRA_10 -63,-10.5 r135 bottom (schematic designator US1)
US1_U_ultra350_1_12 "Ultrasonic_10mm" ULTRA_10 10.5,-63 r225 bottom (schematic designator US1)
US1_U_ultra350_2 "Ultrasonic_10mm" ULTRA_10 52.5,10.5 r315 bottom (schematic designator US1)
US1_U_ultra350_2_1 "Ultrasonic_10mm" ULTRA_10 52.525,21 r315 bottom (schematic designator US1)
US1_U_ultra350_2_1_1 "Ultrasonic_10mm" ULTRA_10 -21,52.525 r45 bottom (schematic designator US1)
US1_U_ultra350_2_1_2 "Ultrasonic_10mm" ULTRA_10 -52.525,-21 r135 bottom (schematic designator US1)
US1_U_ultra350_2_1_3 "Ultrasonic_10mm" ULTRA_10 21,-52.525 r225 bottom (schematic designator US1)
US1_U_ultra350_2_2 "Ultrasonic_10mm" ULTRA_10 52.55,31.5 r315 bottom (schematic designator US1)
US1_U_ultra350_2_2_1 "Ultrasonic_10mm" ULTRA_10 -31.5,52.55 r45 bottom (schematic designator US1)
US1_U_ultra350_2_2_2 "Ultrasonic_10mm" ULTRA_10 -52.55,-31.5 r135 bottom (schematic designator US1)
US1_U_ultra350_2_2_3 "Ultrasonic_10mm" ULTRA_10 31.5,-52.55 r225 bottom (schematic designator US1)
US1_U_ultra350_2_3 "Ultrasonic_10mm" ULTRA_10 52.575,42 r315 bottom (schematic designator US1)
US1_U_ultra350_2_3_1 "Ultrasonic_10mm" ULTRA_10 -42,52.575 r45 bottom (schematic designator US1)
US1_U_ultra350_2_3_2 "Ultrasonic_10mm" ULTRA_10 -52.575,-42 r135 bottom (schematic designator US1)
US1_U_ultra350_2_3_3 "Ultrasonic_10mm" ULTRA_10 42,-52.575 r225 bottom (schematic designator US1)
US1_U_ultra350_2_4 "Ultrasonic_10mm" ULTRA_10 52.6,52.5 r315 bottom (schematic designator US1)
US1_U_ultra350_2_4_1 "Ultrasonic_10mm" ULTRA_10 -52.5,52.6 r45 bottom (schematic designator US1)
US1_U_ultra350_2_4_2 "Ultrasonic_10mm" ULTRA_10 -52.6,-52.5 r135 bottom (schematic designator US1)
US1_U_ultra350_2_4_3 "Ultrasonic_10mm" ULTRA_10 52.5,-52.6 r225 bottom (schematic designator US1)
US1_U_ultra350_2_5 "Ultrasonic_10mm" ULTRA_10 52.625,63 r315 bottom (schematic designator US1)